# Altium PCB Audio_Mini.PcbDoc (part 1 of 2) (continued)
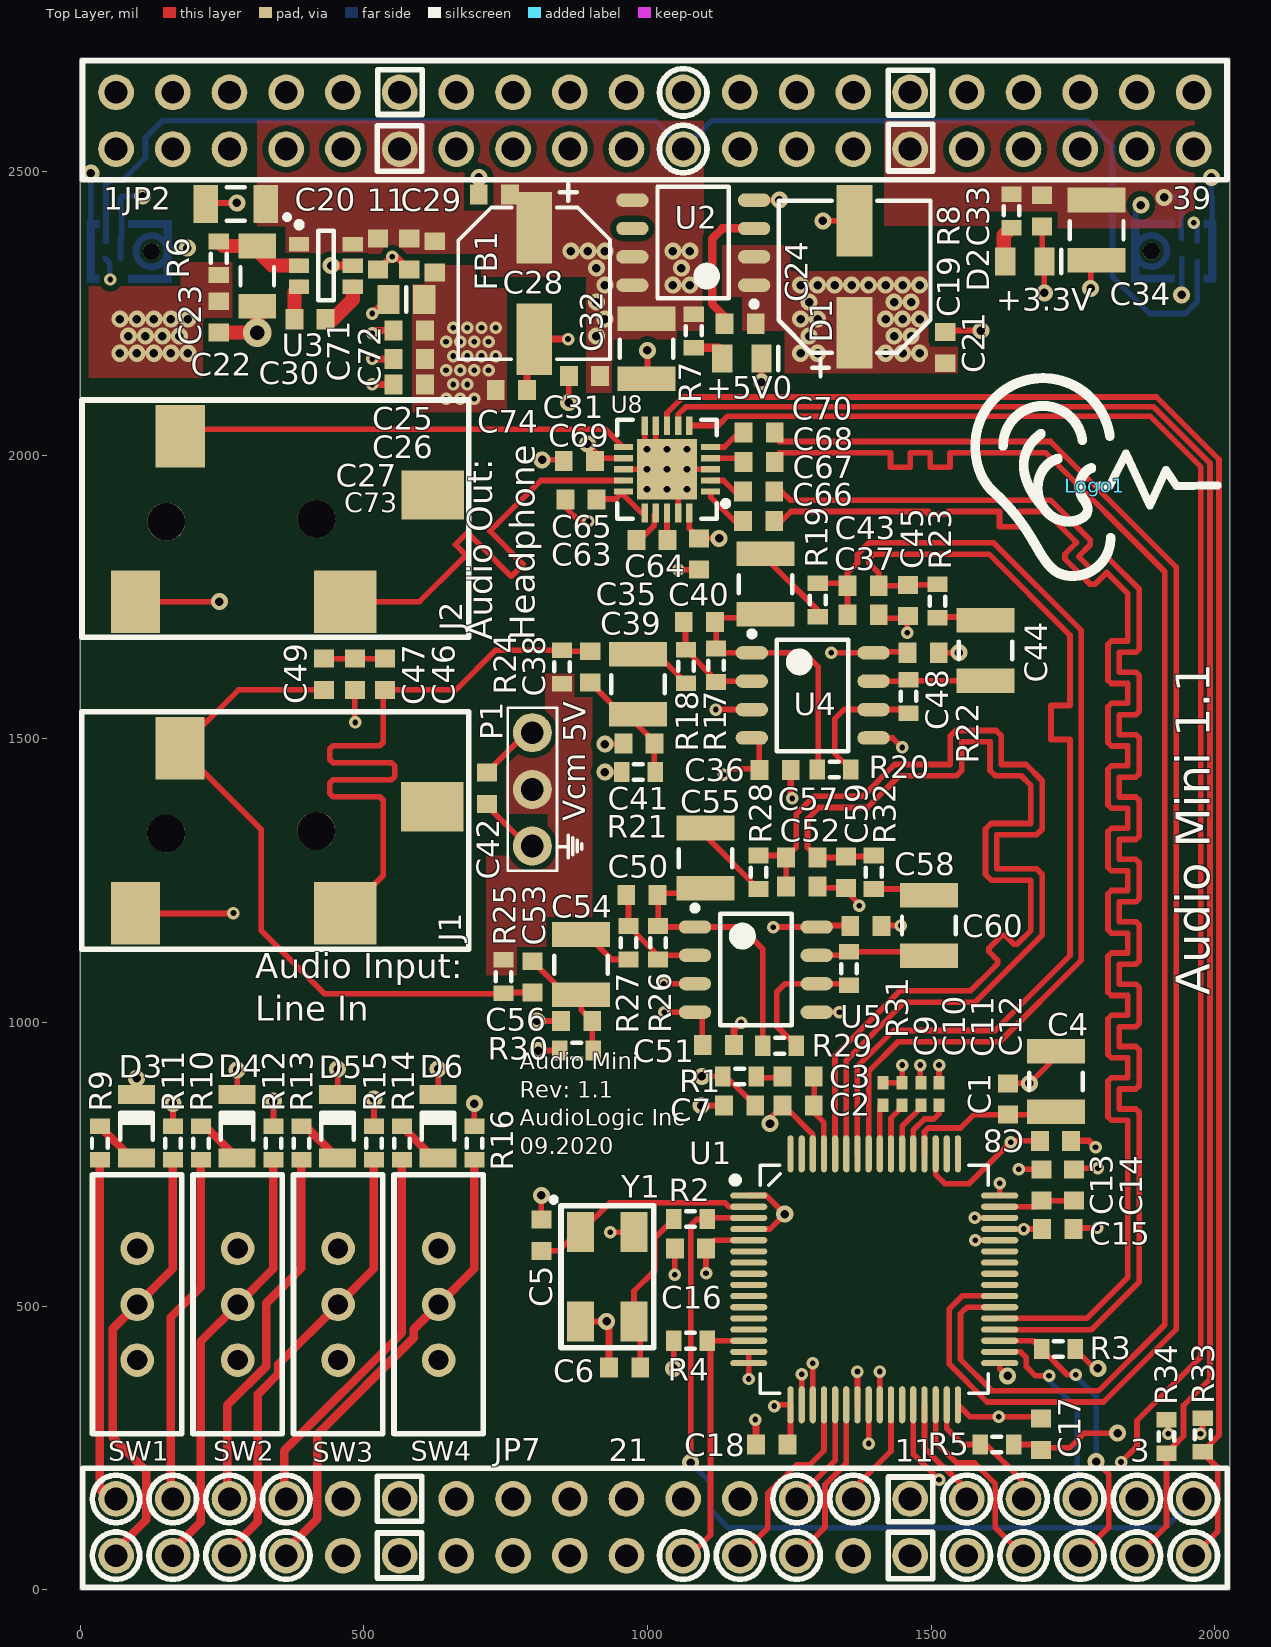
[diagram p0: Top Layer view]
## Components (designator, comment, footprint, x,y, rotation, side; value= is the part's Value field where it differs from the comment) (continued)
C56 "C1608C0G2A101J" 3-0603_L 875.06,1002.76 r180 top
C57 "C1608C0G2A101J" 3-0603_L 1272,1291 r180 top
C58 "GRM32EC81C476KE15L" C1210X25_L 1496,1171 r90 top
C59 "CL10B102KB8NNNC" 3-0603_L 1350,1265 r90 top
C60 "CGA3E2X7R1E104K080AA" 3-0603_L 1385,1170 r180 top
C61 "CGA3E2X7R1E104K080AA" 3-0603_L_DNP 1966.49,2456.69 r180 bottom
C62 "CGA3E2X7R1E104K080AA" 3-0603_L_DNP 46.21,2456.69 r180 bottom
C63 "CGA3E1X7R1C105M080AC" 3-0603_L 1008,1851 r180 top
C64 "CGA3E1X7R1C105M080AC" 3-0603_L 1091,1826 r270 top
C65 "CGA3E1X7R1C105M080AC" 3-0603_L 882.83,1922.24 r180 top
C66 "CGA3E1X7R1C474M080AC" 3-0603_L 1196.01,1884.26 r180 top
C67 "CGA3E1X7R1C474M080AC" 3-0603_L 1196.01,1936.42 r180 top
C68 "CGA3E1X7R1C474M080AC" 3-0603_L 1196.93,1988.19 r180 top
C69 "CGA3E1X7R1C105M080AC" 3-0603_L 880,1990 r0 top
C70 "CGA3E1X7R1C474M080AC" 3-0603_L 1196.93,2040.36 r180 top
C71 "CAP 0603" 3-0603_L_DNP 525,2355 r90 top
C72 "CAP 0603" 3-0603_L_DNP 580,2355 r90 top
C73 "CAP 0603" 3-0603_L_DNP 580,2125 r0 top
C74 "CAP 0603" 3-0603_L_DNP 760,2115 r180 top
D1 "LED_RED 4" DIOM2012X12L_RED 1166.29,2171.06 r0 top
D2 "LED_ORANGE 3" DIOM2012X12L_ORANGE 1665.31,2341.54 r0 top
D3 "LED_GREEN 2" DIOCP3216X11L 99.36,816.93 r90 top
D4 "LED_GREEN 2" DIOCP3216X11L 276.53,816.93 r90 top
D5 "LED_GREEN 2" DIOCP3216X11L 453.69,816.93 r90 top
D6 "LED_GREEN 2" DIOCP3216X11L 630.86,816.93 r90 top
FB1 "BLM18BA220SN1D" 3-0603_L 625,2350 r270 top
J1 "SJ-3523-SMT-TR" SJ-3523-SMT-TR 97.1,1192.33 r0 top
J2 "SJ-3523-SMT-TR" SJ-3523-SMT-TR 97.39,1742.13 r0 top
JP2 "ESQ-120-14-T-D-LL" ESQ-120-24-T-D-LL 63,2540 r90 bottom
JP7 "ESQ-120-14-T-D-LL" ESQ-120-24-T-D-LL 1963,160 r270 bottom
Logo1 "Audio Logic Logo" AL_Logo_Small_Silkscreen 1789.02,1945.98 r0 top (schematic designator LOGO1)
P1 "TSW-103-07-G-S" 3Pin_Header 797,1311 r90 top
R1 "ERJ-3EKF5620V" 3-0603_R_L 1162.34,904.73 r0 top
R2 "ERJ-3EKF49R9V" 3-0603_R_L 1075.74,653.55 r0 top
R3 "ERJ-3GEYJ103V" 3-0603_R_L 1724.36,424.21 r180 top
R4 "ERJ-3GEYJ103V" 3-0603_R_L 1075.74,438.98 r0 top
R5 "ERJ-3GEYJ103V" 3-0603_R_L 1616,256 r180 top
R6 "ERJ-3RQF3R9V" 3-0603_R_L 244.05,2347.44 r270 top
R7 "ERJ-3EKF4990V" 3-0603_R_L 1081.65,2219.49 r90 top
R8 "ERJ-3EKF3740V" 3-0603_R_L 1641.68,2431.1 r90 top
R9 "ERJ-PB3B2200V" 3-0603_R_L 34.4,787.4 r270 top
R10 "ERJ-PB3B2200V" 3-0603_R_L 212.55,787.4 r270 top
R11 "ERJ-3GEYJ103V" 3-0603_R_L 163.34,787.4 r90 top
R12 "ERJ-3GEYJ103V" 3-0603_R_L 340.5,787.4 r90 top
R13 "ERJ-PB3B2200V" 3-0603_R_L 389.72,787.4 r270 top
R14 "ERJ-PB3B2200V" 3-0603_R_L 566.88,787.4 r270 top
R15 "ERJ-3GEYJ103V" 3-0603_R_L 517.67,787.4 r90 top
R16 "ERJ-3GEYJ103V" 3-0603_R_L 694.83,787.4 r90 top
R17 "ERJ-3EKF5761V" 3-0603_R_L 1121,1630 r90 top
R18 "ERJ-3EKF5761V" 3-0603_R_L 1067.86,1627.96 r90 top
R19 "ERJ-3EKF2370V" 3-0603_R_L 1300.27,1744.99 r90 top
R20 "ERJ-3EKF5761V" 3-0603_R_L 1329,1446 r0 top
R21 "ERJ-3EKF4991V" 3-0603_R_L 984.01,1441.75 r0 top
R22 "ERJ-3EKF5761V" 3-0603_R_L 1460,1575 r90 top
R23 "ERJ-3EKF2370V" 3-0603_R_L 1511.27,1742.99 r90 top
R24 "ERJ-3EKF6811V" 3-0603_R_L_DNP 849,1627 r90 top
R25 "ERJ-3EKF6811V" 3-0603_R_L_DNP 746,1081 r90 top
R26 "ERJ-3EKF5761V" 3-0603_R_L 1018.76,1140.56 r90 top
R27 "ERJ-3EKF5761V" 3-0603_R_L 966.59,1140.56 r90 top
R28 "ERJ-3EKF2370V" 3-0603_R_L 1196,1265 r90 top
R29 "ERJ-3EKF5761V" 3-0603_R_L 1233,959 r0 top
R30 "ERJ-3EKF4991V" 3-0603_R_L 875.06,950.6 r0 top
R31 "ERJ-3EKF5761V" 3-0603_R_L 1355,1095 r90 top
R32 "ERJ-3EKF2370V" 3-0603_R_L 1399,1265 r90 top
R33 "ERJ-3GEYJ103V" 3-0603_R_L_DNP 1979,273 r90 top
R34 "ERJ-3GEYJ103V" 3-0603_R_L_DNP 1915,270 r90 top
SW1 "Slide Switch SPDT Through Hole" EG1218 100.35,601.47 r270 top
SW2 "Slide Switch SPDT Through Hole" EG1218 277.51,601.47 r270 top
SW3 "Slide Switch SPDT Through Hole" EG1218 454.68,601.47 r270 top
SW4 "Slide Switch SPDT Through Hole" EG1218 631.84,601.47 r270 top
U1 "AD1939YSTZ" ST_64_2 1399.77,547.25 r0 top
U2 "ADP3303ARZ-3.3-RL7" SOIC127P600X175-8N 1080.66,2375 r180 top
U3 "" SOT23-6_L 433.02,2334.65 r0 top
U4 "ADA4075-2ARZ-R7" SOIC127P600X175-8N 1291.29,1576.78 r0 top
U5 "ADA4075-2ARZ-R7" SOIC127P600X175-8N 1191,1093.32 r0 top
U6 "INMP621" INMP621_DNP#1 86.34,2359.72 r0 bottom
U7 "INMP621" INMP621_DNP#2 1928,2360 r180 bottom
U8 "TPA6130A2RTJR" QFN50P400X400X80_HS-21N 1034.4,1975.39 r180 top
Y1 "ABM3B-12.288MHZ-10-1-U-T" ADM3B 921.22,551.73 r270 top

## Footprints (in the part's own frame and the unit in brackets; to place one, negate y for a bottom-side part, rotate by r counter-clockwise, add the part's x,y. Pads: shape width x height; smd on the part's side, far side on the other; paste and mask are expansions set on the pad)
2-0402_L [mm] "Chip Capacitor, Body 1.0x0.5mm, IPC High Density"
  rect 0.6x0.5 smd: 1(-0.5,0) 2(0.5,0)
  body extent -0.5,-0.25 0.5,0.25, height 0.6
3-0603_L [mm] "Chip Capacitor, Body 1.6x0.8mm, IPC High Density"
  rect 0.8x0.9 smd: 1(-0.7,0) 2(0.7,0)
  body extent -0.8,-0.4 0.8,0.4, height 0.9
3-0603_L_DNP [mm] "Chip Capacitor, Body 1.6x0.8mm, IPC High Density"
  rect 0.8x0.9 smd: 1(-0.7,0) 2(0.7,0)
3-0603_R_L [mm] "Chip Resistor, Body 1.6x0.8mm, IPC High Density"
  rect 0.7x0.9 smd: 1(-0.75,0) 2(0.75,0)
  silkscreen extent -0.2,-0.35 0.2,0.35, body extent -0.77,-0.42 0.78,0.43, height 0.45
3-0603_R_L_DNP [mm] "Chip Resistor, Body 1.6x0.8mm, IPC High Density"
  rect 0.7x0.9 smd: 1(-0.75,0) 2(0.75,0)
  silkscreen extent -0.2,-0.35 0.2,0.35
3Pin_Header [mm]
  round 1.75 hole 1.02: 1(0,0) 2(2.54,0) 3(5.08,0)
  silkscreen extent -1.1,-1.1 6.2,1.1, body extent -1.37,-1.24 6.37,1.3, height 8.38
6-0805_L [mm] "Chip Capacitor, Body 2.0x1.2mm, IPC High Density"
  rect 1x1.3 smd: 1(-0.8,0) 2(0.8,0)
  silkscreen extent 0,-0.55 0,0.55, body extent -1,-0.62 1,0.63, height 1
ADM3B [mm] "Ceramic SMD Crystal"
  rect 1.8x1.2 smd: 1(-2,-1) 2(2,-1) 3(2,1.4) 4(-2,1.4)
  silkscreen extent -3.55,-2.3 3.18,2.27, body extent -2.55,-1.35 2.45,1.83, height 1.1
AL_Logo_Small_Silkscreen [mil] "Audio Logic Logo Silkscreen"
  silkscreen extent -219,-166 223,198
ALUMCAPC630D_D [mm] "Panasonic Aluminum Electrolytic Capacitor, 6.3mm in diameter"
  rect 3.2x1.6 smd: 1(-2.5,0) 2(2.5,0)
  silkscreen extent -4.45,-3.4 3.4,3.4, body extent -3.5,-3.3 3.5,3.3, height 5.41
C1206 [mm] "Chip Capacitor, Body 3.2x1.6mm, IPC High Density"
  rect 1.1x1.7 smd: 1(-1.35,0) 2(1.35,0)
  silkscreen extent -0.4,-0.75 0.4,0.75, body extent -1.6,-0.8 1.6,0.8, height 1
C1206_TANT [mm] "Chip Capacitor, Body 3.2x1.6mm (CASE A), IPC High Density"
  rect 1.1x1.7 smd: 1(-1.35,0) 2(1.35,0)
  silkscreen extent -2.39,-0.75 0.4,0.75, body extent -1.7,-0.8 1.7,0.8, height 1.64
C1210X25_L [mm] "Chip Capacitor, Body 3.2x2.5mm, IPC High Density"
  rect 1.1x2.6 smd: 1(-1.35,0) 2(1.35,0)
  silkscreen extent -0.4,-1.2 0.4,1.2, body extent -1.6,-1.25 1.6,1.25, height 2.5
DIOCP3216X11L [mm] "Chip Diode, 2-Leads, Body 3.2x1.6mm, IPC High Density"
  rect 0.85x1.65 smd: 1(-1.425,0) 2(1.425,0)
  silkscreen extent -0.6,-0.73 0.6,0.72, body extent -1.6,-0.8 1.6,0.8, height 1.1
DIOM2012X12L_ORANGE [mm] "Molded Diode, 2-Leads, Body 2.0x1.3mm, IPC High Density"
  rect 0.9x1.25 smd: 1(-0.875,0) 2(0.875,0)
  silkscreen extent 1.63,-0.53 1.63,0.53, body extent -1.01,-0.62 1.01,0.62, height 1.1
DIOM2012X12L_RED [mm] "Molded Diode, 2-Leads, Body 2.0x1.3mm, IPC High Density"
  rect 0.9x1.25 smd: 1(-0.875,0) 2(0.875,0)
  silkscreen extent 1.63,-0.53 1.63,0.53, body extent -1.01,-0.63 1.01,0.62, height 1.1
EG1218 [mm] "Slide Switch SPDT Through Hole"
  round 1.5 hole 0.9: 1(0,0) 2(2.5,0) 3(5,0)
  silkscreen extent -3.3,-2 8.3,2, body extent -3.35,-1.92 8.25,2.07, height 7
ESQ-120-24-T-D-LL [mm] "2x20 Through Hole Connector, 0.1 inch pitch"
  round 1.6 hole 1.02: 1(0,0) 2(2.54,0) 3(0,2.54) 4(2.54,2.54) 5(0,5.08) 6(2.54,5.08) 7(0,7.62) 8(2.54,7.62) 9(0,10.16) 10(2.54,10.16) 11(0,12.7) 12(2.54,12.7) 13(0,15.24) 14(2.54,15.24) 15(0,17.78) 16(2.54,17.78) 17(0,20.32) 18(2.54,20.32) 19(0,22.86) 20(2.54,22.86) 21(0,25.4) 22(2.54,25.4) 23(0,27.94) 24(2.54,27.94) 25(0,30.48) 26(2.54,30.48) 27(0,33.02) 28(2.54,33.02) 29(0,35.56) 30(2.54,35.56) 31(0,38.1) 32(2.54,38.1) 33(0,40.64) 34(2.54,40.64) 35(0,43.18) 36(2.54,43.18) 37(0,45.72) 38(2.54,45.72) 39(0,48.26) 40(2.54,48.26)
  silkscreen extent -1.38,-1.5 3.95,49.75, body extent -1.24,-1.63 3.84,49.68, height 13.51
INMP621_DNP#1 [mm] "Wide Dynamic Range Microphone with PDM Digital Output"
  rect 0.4x0.6 smd paste-0.051 mask+0: 1(-1.05,-0.45) 2(-0.35,-0.45) 4(-0.35,0.45) 5(-1.05,0.45)
  rect 0.25x0.25 smd paste-1 mask+0: 3(-1.725,0) 3(1.7,0)
  round 0.762 hole 0.762 unplated paste+0 mask+0: ""(1,0)
  Top Layer circle w0.3: c1,0 r0.7
  Top Layer region: -0.05,1.05 -0.05,1.4 1.9,1.4 1.9,-1.4 -0.05,-1.4 -0.05,-1.05 1.55,-1.05 1.55,1.05
  Top Layer region: -1.9,-1.4 -1.9,1.4 -1.35,1.4 -1.35,1.05 -1.55,1.05 -1.55,-1.05 -1.35,-1.05 -1.35,-1.4
  silkscreen extent -2.02,-1.53 2.02,1.53
INMP621_DNP#2 [mm] "Wide Dynamic Range Microphone with PDM Digital Output"
  rect 0.4x0.6 smd paste-0.051 mask+0: 1(-1.05,-0.45) 2(-0.35,-0.45) 4(-0.35,0.45) 5(-1.05,0.45)
  rect 0.25x0.25 smd paste-1 mask+0: 3(-1.725,0) 3(1.7,0)
  round 0.762 hole 0.762 unplated paste+0 mask+0: ""(1,0)
  Top Layer region: -1.9,-1.4 -1.9,1.4 -1.35,1.4 -1.35,1.05 -1.55,1.05 -1.55,-1.05 -1.35,-1.05 -1.35,-1.4
  Top Layer region: -0.05,1.05 -0.05,1.4 1.9,1.4 1.9,-1.4 -0.05,-1.4 -0.05,-1.05 1.55,-1.05 1.55,1.05
  Top Layer lines w0.3: 1.7,0 ccw(c1,0) 1.685,0.143 ccw(c1,0) 0.3,0 ccw(c1,0) 1.7,0
  silkscreen extent -2.02,-1.53 2.02,1.53
QFN50P400X400X80_HS-21N [mm] "QFN, 20-Leads, Body 4.00x4.00mm, Pitch 0.50mm, Thermal Pad 2.70x2.70mm, IPC Medium Density"
  rect 0.85x0.28 smd paste-0.05 mask+0.07: 1(-1.95,1) 2(-1.95,0.5) 3(-1.95,0) 4(-1.95,-0.5) 5(-1.95,-1) 11(1.95,-1) 12(1.95,-0.5) 13(1.95,0) 14(1.95,0.5) 15(1.95,1)
  rect 0.28x0.85 smd paste-0.05 mask+0.07: 6(-1,-1.95) 7(-0.5,-1.95) 8(0,-1.95) 9(0.5,-1.95) 10(1,-1.95) 16(1,1.95) 17(0.5,1.95) 18(0,1.95) 19(-0.5,1.95) 20(-1,1.95)
  rect 2.7x2.7 smd paste-1.35 mask+0.07: 21(0,0)
  silkscreen extent -2.75,-2.22 2.22,2.23, body extent -2.08,-2.08 2.08,2.08, height 0.8
SJ-3523-SMT-TR [mm] "Female 3.5mm audio jack"
  round 1.7 hole 1.7 unplated: 0(1.375,3.575) 0(8.1,3.7)
  rect 2.2x2.8 smd: 1(0,0) 3(2,7.4)
  rect 2.8x2.8 smd: 2(9.4,0)
  rect 2.8x2.2 smd: 4(13.3,4.775)
  silkscreen extent -2.4,-1.6 14.92,9.03, body extent -4.87,-0.87 12.13,8.13, height 5
SOIC127P600X175-8N [mm] "SOIC, 8-Leads, Body 4.90x3.90mm, Pitch 1.27mm, IPC Medium Density"
  oval 1.45x0.6 smd: 1(-2.725,1.905) 2(-2.725,0.635) 3(-2.725,-0.635) 4(-2.725,-1.905) 5(2.725,-1.905) 6(2.725,-0.635) 7(2.725,0.635) 8(2.725,1.905)
  silkscreen extent -2.85,-2.5 1.6,2.88, body extent -3,-2.5 3,2.5, height 1.75
SOT23-6_L [mm] "SOT23, 6-Leads, Body 2.9x1.6mm, Pitch 0.95mm, Lead Span 2.7mm, IPC High Density"
  rect 0.9x0.65 smd mask+0.051: 1(-1.2,0.95) 2(-1.2,0) 3(-1.2,-0.95) 4(1.2,-0.95) 5(1.2,0) 6(1.2,0.95)
  silkscreen extent -1.32,-1.55 0.35,1.95, body extent -1.17,-1.46 1.17,1.46, height 1
ST_64_2 [mil]
  oval 65.5x11 smd mask+1.97: 1(-221.25,147.64) 2(-221.25,127.95) 3(-221.25,108.27) 4(-221.25,88.58) 5(-221.25,68.9) 6(-221.25,49.21) 7(-221.25,29.53) 8(-221.25,9.84) 9(-221.25,-9.84) 10(-221.25,-29.53) 11(-221.25,-49.21) 12(-221.25,-68.9) 13(-221.25,-88.58) 14(-221.25,-108.27) 15(-221.25,-127.95) 16(-221.25,-147.64) 33(221.25,-147.64) 34(221.25,-127.95) 35(221.25,-108.27) 36(221.25,-88.58) 37(221.25,-68.9) 38(221.25,-49.21) 39(221.25,-29.53) 40(221.25,-9.84) 41(221.25,9.84) 42(221.25,29.53) 43(221.25,49.21) 44(221.25,68.9) 45(221.25,88.58) 46(221.25,108.27) 47(221.25,127.95) 48(221.25,147.64)
  oval 11x65.5 smd mask+1.97: 17(-147.64,-221.25) 18(-127.95,-221.25) 19(-108.27,-221.25) 20(-88.58,-221.25) 21(-68.9,-221.25) 22(-49.21,-221.25) 23(-29.53,-221.25) 24(-9.84,-221.25) 25(9.84,-221.25) 26(29.53,-221.25) 27(49.21,-221.25) 28(68.9,-221.25) 29(88.58,-221.25) 30(108.27,-221.25) 31(127.95,-221.25) 32(147.64,-221.25) 49(147.64,221.25) 50(127.95,221.25) 51(108.27,221.25) 52(88.58,221.25) 53(68.9,221.25) 54(49.21,221.25) 55(29.53,221.25) 56(9.84,221.25) 57(-9.84,221.25) 58(-29.53,221.25) 59(-49.21,221.25) 60(-68.9,221.25) 61(-88.58,221.25) 62(-108.27,221.25) 63(-127.95,221.25) 64(-147.64,221.25)
  silkscreen extent -251,-201 201,201, body extent -240,-240 240,240, height 63

## Part data
C1 C7 C8 C13 C15 C16 C17 C18 C21 C27 C29 C30 C36 C42 C48 C51 C60 C61 C62: "CAP CER 0.1UF 25V X7R 0603", Capacitance=0.1uF, Case/Package=0603, Case Code (Metric)=1608, Dielectric=X7R, Manufacturer=TDK, Max Operating Temperature=125°C, Min Operating Temperature=-55°C, Package Quantity=1, Supplier Part Number 1=445-5667-6-ND, Tolerance=10%, Voltage Rating=25V, Case Code (Imperial)=0603, ComponentLink1Description=https://datasheet.ciiva.com/24218/cga3e2x7r1h332k080aa-266003-24218741.pdf, ComponentLink1URL=https://datasheet.ciiva.com/24218/cga3e2x7r1h332k080aa-266003-24218741.pdf, ComponentLink2Description=https://datasheet.ciiva.com/22725/1735392-22725638.pdf, ComponentLink2URL=https://datasheet.ciiva.com/22725/1735392-22725638.pdf, ComponentLink3Description=https://datasheet.ciiva.com/24220/cga3e2x7r1e104k080aa-265934-24220022.pdf, ComponentLink3URL=https://datasheet.ciiva.com/24220/cga3e2x7r1e104k080aa-265934-24220022.pdf, ComponentLink4Description=https://datasheet.ciiva.com/22725/1735392-22725639.pdf, ComponentLink4URL=https://datasheet.ciiva.com/22725/1735392-22725639.pdf, ComponentLink5Description=https://datasheet.ciiva.com/16427/mlccspec-automotive-general-midvoltage-en-16427320.pdf, ComponentLink5URL=https://datasheet.ciiva.com/16427/mlccspec-automotive-general-midvoltage-en-16427320.pdf, ComponentLink6Description=https://datasheet.ciiva.com/23803/1735392-23803082.pdf, ComponentLink6URL=https://datasheet.ciiva.com/23803/1735392-23803082.pdf, Composition=Ceramic, Depth=0.8mm, Height=0.8mm, Lead Free="Lead Free", Length=1.6mm, Manufacturer Part Number=CGA3E2X7R1E104K080AA, Mount="Surface Mount", Packaging="Tape and Reel", Pricing 1="1=0.1, 10=0.063, 100=0.0279, 500=0.0199, 1000=0.0156 (USD)", REACH SVHC="No SVHC", Stock 1=170098, Supplier 1=Digi-Key, Termination=SMD/SMT, Thickness=0.035inch, Voltage Rating (DC)=25V, Weight=7.1E-05oz, Width=0.031inch
C2: "390pF 50V Ceramic Capacitor X7R 0603 (1608 Metric) 0.063\" L x 0.031\" W (1.60mm x 0.80mm)", Capacitance=390pF, Manufacturer="Samsung Electro-Mechanics America, Inc.", Operating Temperature="-55°C ~ 125°C", Package / Case="0603 (1608 Metric)", Ratings=-, Supplier Part Number 1=1276-2049-1-ND, Temperature Coefficient=X7R, Tolerance=±10%, Voltage - Rated=50V, Applications="General Purpose", Category=Capacitors, ComponentLink1Description=http://www.samsungsem.com/kr/support/product-search/mlcc/__icsFiles/afieldfile/2016/08/18/S_CL10B391KB8NNNC.pdf, ComponentLink1URL=http://www.samsungsem.com/kr/support/product-search/mlcc/__icsFiles/afieldfile/2016/08/18/S_CL10B391KB8NNNC.pdf, Features=-, Height - Seated (Max)=-, Lead Spacing=-, Lead Style=-, Manufacturer Part Number=CL10B391KB8NNNC, Mounting Type="Surface Mount, MLCC", Packaging="Cut Tape (CT)", Part Status=Active, Pricing 1="1=0.1, 10=0.035, 25=0.0248, 50=0.0192, 100=0.0162, 500=0.01132, 1000=0.00882 (USD)", RoHS="RoHS Compliant", Size / Dimension="0.063\" L x 0.031\" W (1.60mm x 0.80mm)", Stock 1=10890, Supplier 1=Digi-Key, Thickness (Max)="0.035\" (0.90mm)"
C3: "5600pF 50V Ceramic Capacitor X7R 0603 (1608 Metric) 0.063\" L x 0.031\" W (1.60mm x 0.80mm)", Capacitance=5600pF, Manufacturer="Samsung Electro-Mechanics America, Inc.", Operating Temperature="-55°C ~ 125°C", Package / Case="0603 (1608 Metric)", Ratings=-, Supplier Part Number 1=1276-2092-1-ND, Temperature Coefficient=X7R, Tolerance=±10%, Voltage - Rated=50V, Applications="Boardflex Sensitive", Category=Capacitors, ComponentLink1Description=http://www.samsungsem.com/kr/support/product-search/mlcc/__icsFiles/afieldfile/2016/08/18/S_CL10B562KB8SFNC.pdf, ComponentLink1URL=http://www.samsungsem.com/kr/support/product-search/mlcc/__icsFiles/afieldfile/2016/08/18/S_CL10B562KB8SFNC.pdf, Features="Soft Termination", Height - Seated (Max)=-, Lead Spacing=-, Lead Style=-, Manufacturer Part Number=CL10B562KB8SFNC, Mounting Type="Surface Mount, MLCC", Packaging="Cut Tape (CT)", Part Status=Active, Pricing 1="1=0.1, 10=0.048, 25=0.034, 50=0.0262, 100=0.0221, 500=0.01548, 1000=0.01206 (USD)", RoHS="RoHS Compliant", Size / Dimension="0.063\" L x 0.031\" W (1.60mm x 0.80mm)", Stock 1=35381, Supplier 1=Digi-Key, Thickness (Max)="0.035\" (0.90mm)"
C4 C39 C40 C44 C54 C55 C58: "47µF ±10% 16V Ceramic Capacitor X6S 1210 (3225 Metric)", Capacitance=47µF, Manufacturer="Murata Electronics North America", Operating Temperature="-55°C ~ 105°C", Package / Case="1210 (3225 Metric)", Ratings=-, Supplier Part Number 1=490-10531-1-ND, Temperature Coefficient=X6S, Tolerance=±10%, Voltage - Rated=16V, Applications="General Purpose", Category=Capacitors, ComponentLink1Description=http://www.murata.com/~/media/webrenewal/support/library/catalog/products/capacitor/mlcc/c02e.pdf, ComponentLink1URL=http://www.murata.com/~/media/webrenewal/support/library/catalog/products/capacitor/mlcc/c02e.pdf, Features="Derating Recommended", Height - Seated (Max)=-, Lead Spacing=-, Lead Style=-, Manufacturer Part Number=GRM32EC81C476KE15L, Mounting Type="Surface Mount, MLCC", Packaging="Cut Tape (CT)", Part Status=Active, Pricing 1="1=0.73, 10=0.697, 25=0.4944, 50=0.4164, 100=0.3383, 250=0.28108, 500=0.25504 (USD)", RoHS="RoHS Compliant", Size / Dimension="0.126\" L x 0.098\" W (3.20mm x 2.50mm)", Stock 1=39641, Supplier 1=Digi-Key, Thickness (Max)="0.106\" (2.70mm)"
C5 C6: "CAP CER 22PF 50V C0G 0603", Capacitance=22pF, Case/Package=0603, Case Code (Metric)=1608, Dielectric=C0G, Manufacturer=TDK, Max Operating Temperature=125°C, Min Operating Temperature=-55°C, Package Quantity=1, Supplier Part Number 1=445-5632-6-ND, Tolerance=5%, Voltage Rating=50V, Case Code (Imperial)=0603, ComponentLink1Description=https://datasheet.ciiva.com/24217/cga3e2c0g1h220j080aa-265896-24217329.pdf, ComponentLink1URL=https://datasheet.ciiva.com/24217/cga3e2c0g1h220j080aa-265896-24217329.pdf, Composition=Ceramic, Depth=0.8mm, Height=0.8mm, Lead Free="Lead Free", Length=1.6mm, Manufacturer Part Number=CGA3E2C0G1H220J080AA, Mount="Surface Mount", Packaging="Tape and Reel", Pricing 1="1=0.1, 10=0.063, 100=0.0279, 500=0.0199, 1000=0.0156 (USD)", REACH SVHC="No SVHC", Stock 1=26658, Supplier 1=Digi-Key, Termination=SMD/SMT, Thickness=0.035inch, Voltage Rating (DC)=50V, Weight=7.1E-05oz, Width=0.8mm
C9 C10 C11 C12: "CAP CER 0.1UF 50V X7R 0402", Capacitance=0.1µF, Manufacturer="TDK Corporation", Operating Temperature="-55°C ~ 125°C", Package / Case="0402 (1005 Metric)", Ratings=AEC-Q200, Supplier Part Number 1=445-6899-1-ND, Temperature Coefficient=X7R, Tolerance=±10%, Voltage - Rated=50V, Applications=Automotive, Category=Capacitors, ComponentLink1Description=https://product.tdk.com/info/en/catalog/datasheets/mlcc_automotive_general_en.pdf, ComponentLink1URL=https://product.tdk.com/info/en/catalog/datasheets/mlcc_automotive_general_en.pdf, Failure Rate=-, Features=-, Height - Seated (Max)=-, Lead Spacing=-, Lead Style=-, Manufacturer Part Number=CGA2B3X7R1H104K050BB, Mounting Type="Surface Mount, MLCC", Packaging="Cut Tape (CT)", Part Status=Active, Pricing 1="1=0.16, 10=0.11, 100=0.0523, 250=0.044, 500=0.03686, 1000=0.03025, 5000=0.02558 (USD)", RoHS="RoHS Compliant", Size / Dimension="0.039\" L x 0.020\" W (1.00mm x 0.50mm)", Stock 1=1156628, Supplier 1=Digi-Key, Thickness (Max)="0.022\" (0.55mm)"
C14 C23 C31 C33: "CAP CER 10UF 10V 10% X5R 0603", Capacitance=10µF, Manufacturer="TDK Corporation", Operating Temperature="-55°C ~ 85°C", Package / Case="0603 (1608 Metric)", Ratings=-, Supplier Part Number 1=445-7486-1-ND, Temperature Coefficient=X5R, Tolerance=±10%, Voltage - Rated=10V, Applications="General Purpose", Category=Capacitors, ComponentLink1Description=http://www.tdk.com/pdf/general_B11.pdf, ComponentLink1URL=http://www.tdk.com/pdf/general_B11.pdf, Features=-, Height - Seated (Max)=-, Lead Spacing=-, Lead Style=-, Manufacturer Part Number=C1608X5R1A106K, Mounting Type="Surface Mount, MLCC", Packaging="Cut Tape (CT)", Pricing 1="1=0.48, 10=0.42, 100=0.21, 250=0.168, 500=0.153, 1000=0.138 (USD)", RoHS="RoHS Compliant", Size / Dimension="0.063\" L x 0.031\" W (1.60mm x 0.80mm)", Stock 1=36523, Supplier 1=Digi-Key, Thickness (Max)="0.035\" (0.90mm)"
C19 C28: "CAP ALUM 47UF 50V 20% SMD", Capacitance=47µF, ESR (Equivalent Series Resistance)="680.0 mOhm", Lifetime @ Temp.="2000 Hrs @ 105°C", Manufacturer="Panasonic - ECG", Operating Temperature="-55°C ~ 105°C", Package / Case="Radial, Can - SMD", Ripple Current=195mA, Supplier Part Number 1=PCE5023CT-ND, Tolerance=±20%, Voltage Rating=50V, Category=Capacitors, ComponentLink1Description=http://industrial.panasonic.com/www-cgi/jvcr17pz.cgi?E+PZ+4+ABA0134+0+WW, ComponentLink1URL=http://industrial.panasonic.com/www-cgi/jvcr17pz.cgi?E+PZ+4+ABA0134+0+WW, Features="General Purpose", Height - Seated (Max)="0.240\" (6.10mm)", Impedance=-, Lead Spacing=-, Manufacturer Part Number=EEE-FT1H470AP, Mounting Type="Surface Mount", Packaging="Cut Tape (CT)", Pricing 1="1=0.81, 50=0.4834, 100=0.4229, 250=0.33232, 500=0.3021 (USD)", RoHS="RoHS Compliant", Size / Dimension="0.248\" Dia (6.30mm)", Stock 1=1772, Supplier 1=Digi-Key, Surface Mount Land Size="0.260\" L x 0.260\" W (6.60mm x 6.60mm)"
C20: "CAP TANT 10UF 10V 10% 1206", Capacitance=10µF, ESR (Equivalent Series Resistance)="900 mOhm", Lifetime @ Temp.=-, Manufacturer="AVX Corporation", Manufacturer Size Code=A, Operating Temperature="-55°C ~ 125°C", Package / Case="1206 (3216 Metric)", Supplier Part Number 1=478-1751-1-ND, Tolerance=±10%, Voltage - Rated=10V, Category=Capacitors, ComponentLink1Description=http://www.avx.com/docs/Catalogs/tps.pdf, ComponentLink1URL=http://www.avx.com/docs/Catalogs/tps.pdf, Features="General Purpose", Height - Seated (Max)="0.071\" (1.80mm)", Lead Spacing=-, Manufacturer Part Number=TPSA106K010R0900, Mounting Type="Surface Mount", Packaging="Cut Tape (CT)", Pricing 1="1=0.77, 10=0.737, 100=0.3575, 250=0.297, 500=0.2695, 1000=0.2475 (USD)", RoHS="RoHS Compliant", Size / Dimension="0.126\" L x 0.063\" W (3.20mm x 1.60mm)", Stock 1=62197, Supplier 1=Digi-Key, Type=Molded
C22: "CAP CER 22UF 16V 20% X6S 1206", Capacitance=22µF, Manufacturer="TDK Corporation", Operating Temperature="-55°C ~ 105°C", Package / Case="1206 (3216 Metric)", Ratings=-, Supplier Part Number 1=445-8044-1-ND, Temperature Coefficient=X6S, Tolerance=±20%, Voltage - Rated=16V, Applications="General Purpose", Category=Capacitors, ComponentLink1Description=http://www.tdk.com/pdf/general_B11.pdf, ComponentLink1URL=http://www.tdk.com/pdf/general_B11.pdf, Features=-, Height - Seated (Max)=-, Lead Spacing=-, Lead Style=-, Manufacturer Part Number=C3216X6S1C226M, Mounting Type="Surface Mount, MLCC", Packaging="Cut Tape (CT)", Pricing 1="1=1.13, 10=0.94, 100=0.6, 250=0.5, 500=0.45, 1000=0.41 (USD)", RoHS="RoHS Compliant", Size / Dimension="0.126\" L x 0.063\" W (3.20mm x 1.60mm)", Stock 1=4138, Supplier 1=Digi-Key, Thickness (Max)=-
C24: "CAP CER 10000PF 100V X7R 0603", Capacitance=10nF, Manufacturer="TDK Corporation", Operating Temperature="-55°C ~ 125°C", Package / Case="0603 (1608 Metric)", Ratings=-, Supplier Part Number 1=445-1304-1-ND, Temperature Coefficient=X7R, Tolerance=±10%, Voltage - Rated=100V, Applications="General Purpose", Category=Capacitors, ComponentLink1Description=http://product.tdk.com/capacitor/mlcc/en/documents/mlcc_commercial_midvoltage_en.pdf, ComponentLink1URL=http://product.tdk.com/capacitor/mlcc/en/documents/mlcc_commercial_midvoltage_en.pdf, Features=-, Height - Seated (Max)=-, Lead Spacing=-, Lead Style=-, Manufacturer Part Number=C1608X7R2A103K080AA, Mounting Type="Surface Mount, MLCC", Packaging="Cut Tape (CT)", Pricing 1="1=0.1, 10=0.06, 100=0.0275, 250=0.02252, 500=0.01926, 1000=0.015 (USD)", RoHS="RoHS Compliant", Size / Dimension="0.063\" L x 0.031\" W (1.60mm x 0.80mm)", Stock 1=257721, Supplier 1=Digi-Key, Thickness (Max)="0.037\" (0.95mm)"
C25: "CAP CER 22UF 10V X5R 0805", Capacitance=22µF, Manufacturer="Samsung Electro-Mechanics America, Inc.", Operating Temperature="-55°C ~ 85°C", Package / Case="0805 (2012 Metric)", Ratings=-, Supplier Part Number 1=1276-6786-1-ND, Temperature Coefficient=X5R, Tolerance=±10%, Voltage - Rated=10V, Applications="General Purpose", Category=Capacitors, ComponentLink1Description=http://www.samsungsem.com/kr/support/product-search/mlcc/__icsFiles/afieldfile/2016/08/18/S_CL21A226KPCLRNC.pdf, ComponentLink1URL=http://www.samsungsem.com/kr/support/product-search/mlcc/__icsFiles/afieldfile/2016/08/18/S_CL21A226KPCLRNC.pdf, Features="Low Profile", Height - Seated (Max)=-, Lead Spacing=-, Lead Style=-, Manufacturer Part Number=CL21A226KPCLRNC, Mounting Type="Surface Mount, MLCC", Packaging="Cut Tape (CT)", Part Status=Active, Pricing 1="1=0.25, 10=0.173, 25=0.1384, 50=0.1154, 100=0.0981, 250=0.07788, 500=0.06924, 1000=0.06059 (USD)", RoHS="RoHS Compliant", Size / Dimension="0.079\" L x 0.049\" W (2.00mm x 1.25mm)", Stock 1=70317, Supplier 1=Digi-Key, Thickness (Max)="0.037\" (0.95mm)"
C26: "CAP CER 10000PF 50V 5% X7R 0603", Capacitance=10nF, Manufacturer=Kemet, Operating Temperature="-55°C ~ 125°C", Package / Case="0603 (1608 Metric)", Ratings=-, Supplier Part Number 1=399-1092-1-ND, Temperature Coefficient=X7R, Tolerance=±5%, Voltage - Rated=50V, Applications="General Purpose", Category=Capacitors, ComponentLink1Description=http://www.kemet.com/datasheets&C0603C103J5RACTU, ComponentLink1URL=http://www.kemet.com/datasheets&C0603C103J5RACTU, Features=-, Height - Seated (Max)=-, Lead Spacing=-, Lead Style=-, Manufacturer Part Number=C0603C103J5RACTU, Mounting Type="Surface Mount, MLCC", Packaging="Cut Tape (CT)", Pricing 1="1=0.1, 10=0.036, 50=0.0196, 100=0.0165, 250=0.01352, 500=0.01156, 1000=0.009 (USD)", RoHS="RoHS Compliant", Size / Dimension="0.063\" L x 0.031\" W (1.60mm x 0.80mm)", Stock 1=187680, Supplier 1=Digi-Key, Thickness (Max)="0.034\" (0.87mm)"
C32 C34: "100µF 6.3V Ceramic Capacitor X6S 1210 (3225 Metric) 0.126\" L x 0.098\" W (3.20mm x 2.50mm)", Capacitance=100µF, Manufacturer="Samsung Electro-Mechanics America, Inc.", Operating Temperature="-55°C ~ 105°C", Package / Case="1210 (3225 Metric)", Ratings=-, Supplier Part Number 1=1276-3399-1-ND, Temperature Coefficient=X6S, Tolerance=±20%, Voltage - Rated=6.3V, Applications="General Purpose", Category=Capacitors, ComponentLink1Description=http://www.samsungsem.com/kr/front/downloadcms.do?path=/kr/support/product-search/mlcc/__icsFiles/afieldfile/2014/11/05&fileName=C_CL32X107MQVNNNE.pdf, ComponentLink1URL=http://www.samsungsem.com/kr/front/downloadcms.do?path=/kr/support/product-search/mlcc/__icsFiles/afieldfile/2014/11/05&fileName=C_CL32X107MQVNNNE.pdf, Features=-, Height - Seated (Max)=-, Lead Spacing=-, Lead Style=-, Manufacturer Part Number=CL32X107MQVNNNE, Mounting Type="Surface Mount, MLCC", Packaging="Cut Tape (CT)", Part Status=Active, Pricing 1="1=1.35, 10=1.13, 25=0.974, 50=0.914, 100=0.7215, 500=0.54112 (USD)", RoHS="RoHS Compliant", Size / Dimension="0.126\" L x 0.098\" W (3.20mm x 2.50mm)", Stock 1=19666, Supplier 1=Digi-Key, Thickness (Max)="0.110\" (2.80mm)"
C35 C50: "120pF 50V Ceramic Capacitor C0G, NP0 0603 (1608 Metric) 0.063\" L x 0.031\" W (1.60mm x 0.80mm)", Capacitance=120pF, Manufacturer="Samsung Electro-Mechanics America, Inc.", Operating Temperature="-55°C ~ 125°C", Package / Case="0603 (1608 Metric)", Ratings=-, Supplier Part Number 1=1276-2180-1-ND, Temperature Coefficient="C0G, NP0", Tolerance=±5%, Voltage - Rated=50V, Applications="General Purpose", Category=Capacitors, ComponentLink1Description=http://media.digikey.com/pdf/Data%20Sheets/Samsung%20PDFs/CL10C121JB8NCNC_Spec.pdf, ComponentLink1URL=http://media.digikey.com/pdf/Data%20Sheets/Samsung%20PDFs/CL10C121JB8NCNC_Spec.pdf, Features=-, Height - Seated (Max)=-, Lead Spacing=-, Lead Style=-, Manufacturer Part Number=CL10C121JB8NCNC, Mounting Type="Surface Mount, MLCC", Packaging="Cut Tape (CT)", Part Status=Active, Pricing 1="1=0.1, 10=0.03, 25=0.0208, 50=0.016, 100=0.0135, 500=0.00948, 1000=0.00738 (USD)", RoHS="RoHS Compliant", Size / Dimension="0.063\" L x 0.031\" W (1.60mm x 0.80mm)", Stock 1=26285, Supplier 1=Digi-Key, Thickness (Max)="0.035\" (0.90mm)"
C37 C45 C52 C59: "1000pF 50V Ceramic Capacitor X7R 0603 (1608 Metric) 0.063\" L x 0.031\" W (1.60mm x 0.80mm)", Capacitance=1000pF, Manufacturer="Samsung Electro-Mechanics America, Inc.", Operating Temperature="-55°C ~ 125°C", Package / Case="0603 (1608 Metric)", Ratings=-, Supplier Part Number 1=1276-1018-1-ND, Temperature Coefficient=X7R, Tolerance=±10%, Voltage - Rated=50V, Applications="General Purpose", Category=Capacitors, ComponentLink1Description=http://www.samsungsem.com/kr/support/product-search/mlcc/__icsFiles/afieldfile/2015/06/15/CL10B102KB8NNNC.pdf, ComponentLink1URL=http://www.samsungsem.com/kr/support/product-search/mlcc/__icsFiles/afieldfile/2015/06/15/CL10B102KB8NNNC.pdf, Features=-, Height - Seated (Max)=-, Lead Spacing=-, Lead Style=-, Manufacturer Part Number=CL10B102KB8NNNC, Mounting Type="Surface Mount, MLCC", Packaging="Cut Tape (CT)", Part Status=Active, Pricing 1="1=0.1, 10=0.017, 25=0.012, 50=0.0092, 100=0.0077, 500=0.0054, 1000=0.0042 (USD)", RoHS="RoHS Compliant", Size / Dimension="0.063\" L x 0.031\" W (1.60mm x 0.80mm)", Stock 1=294007, Supplier 1=Digi-Key, Thickness (Max)="0.035\" (0.90mm)"